# Allegro board TubiiPCB_V6.brd (continued)
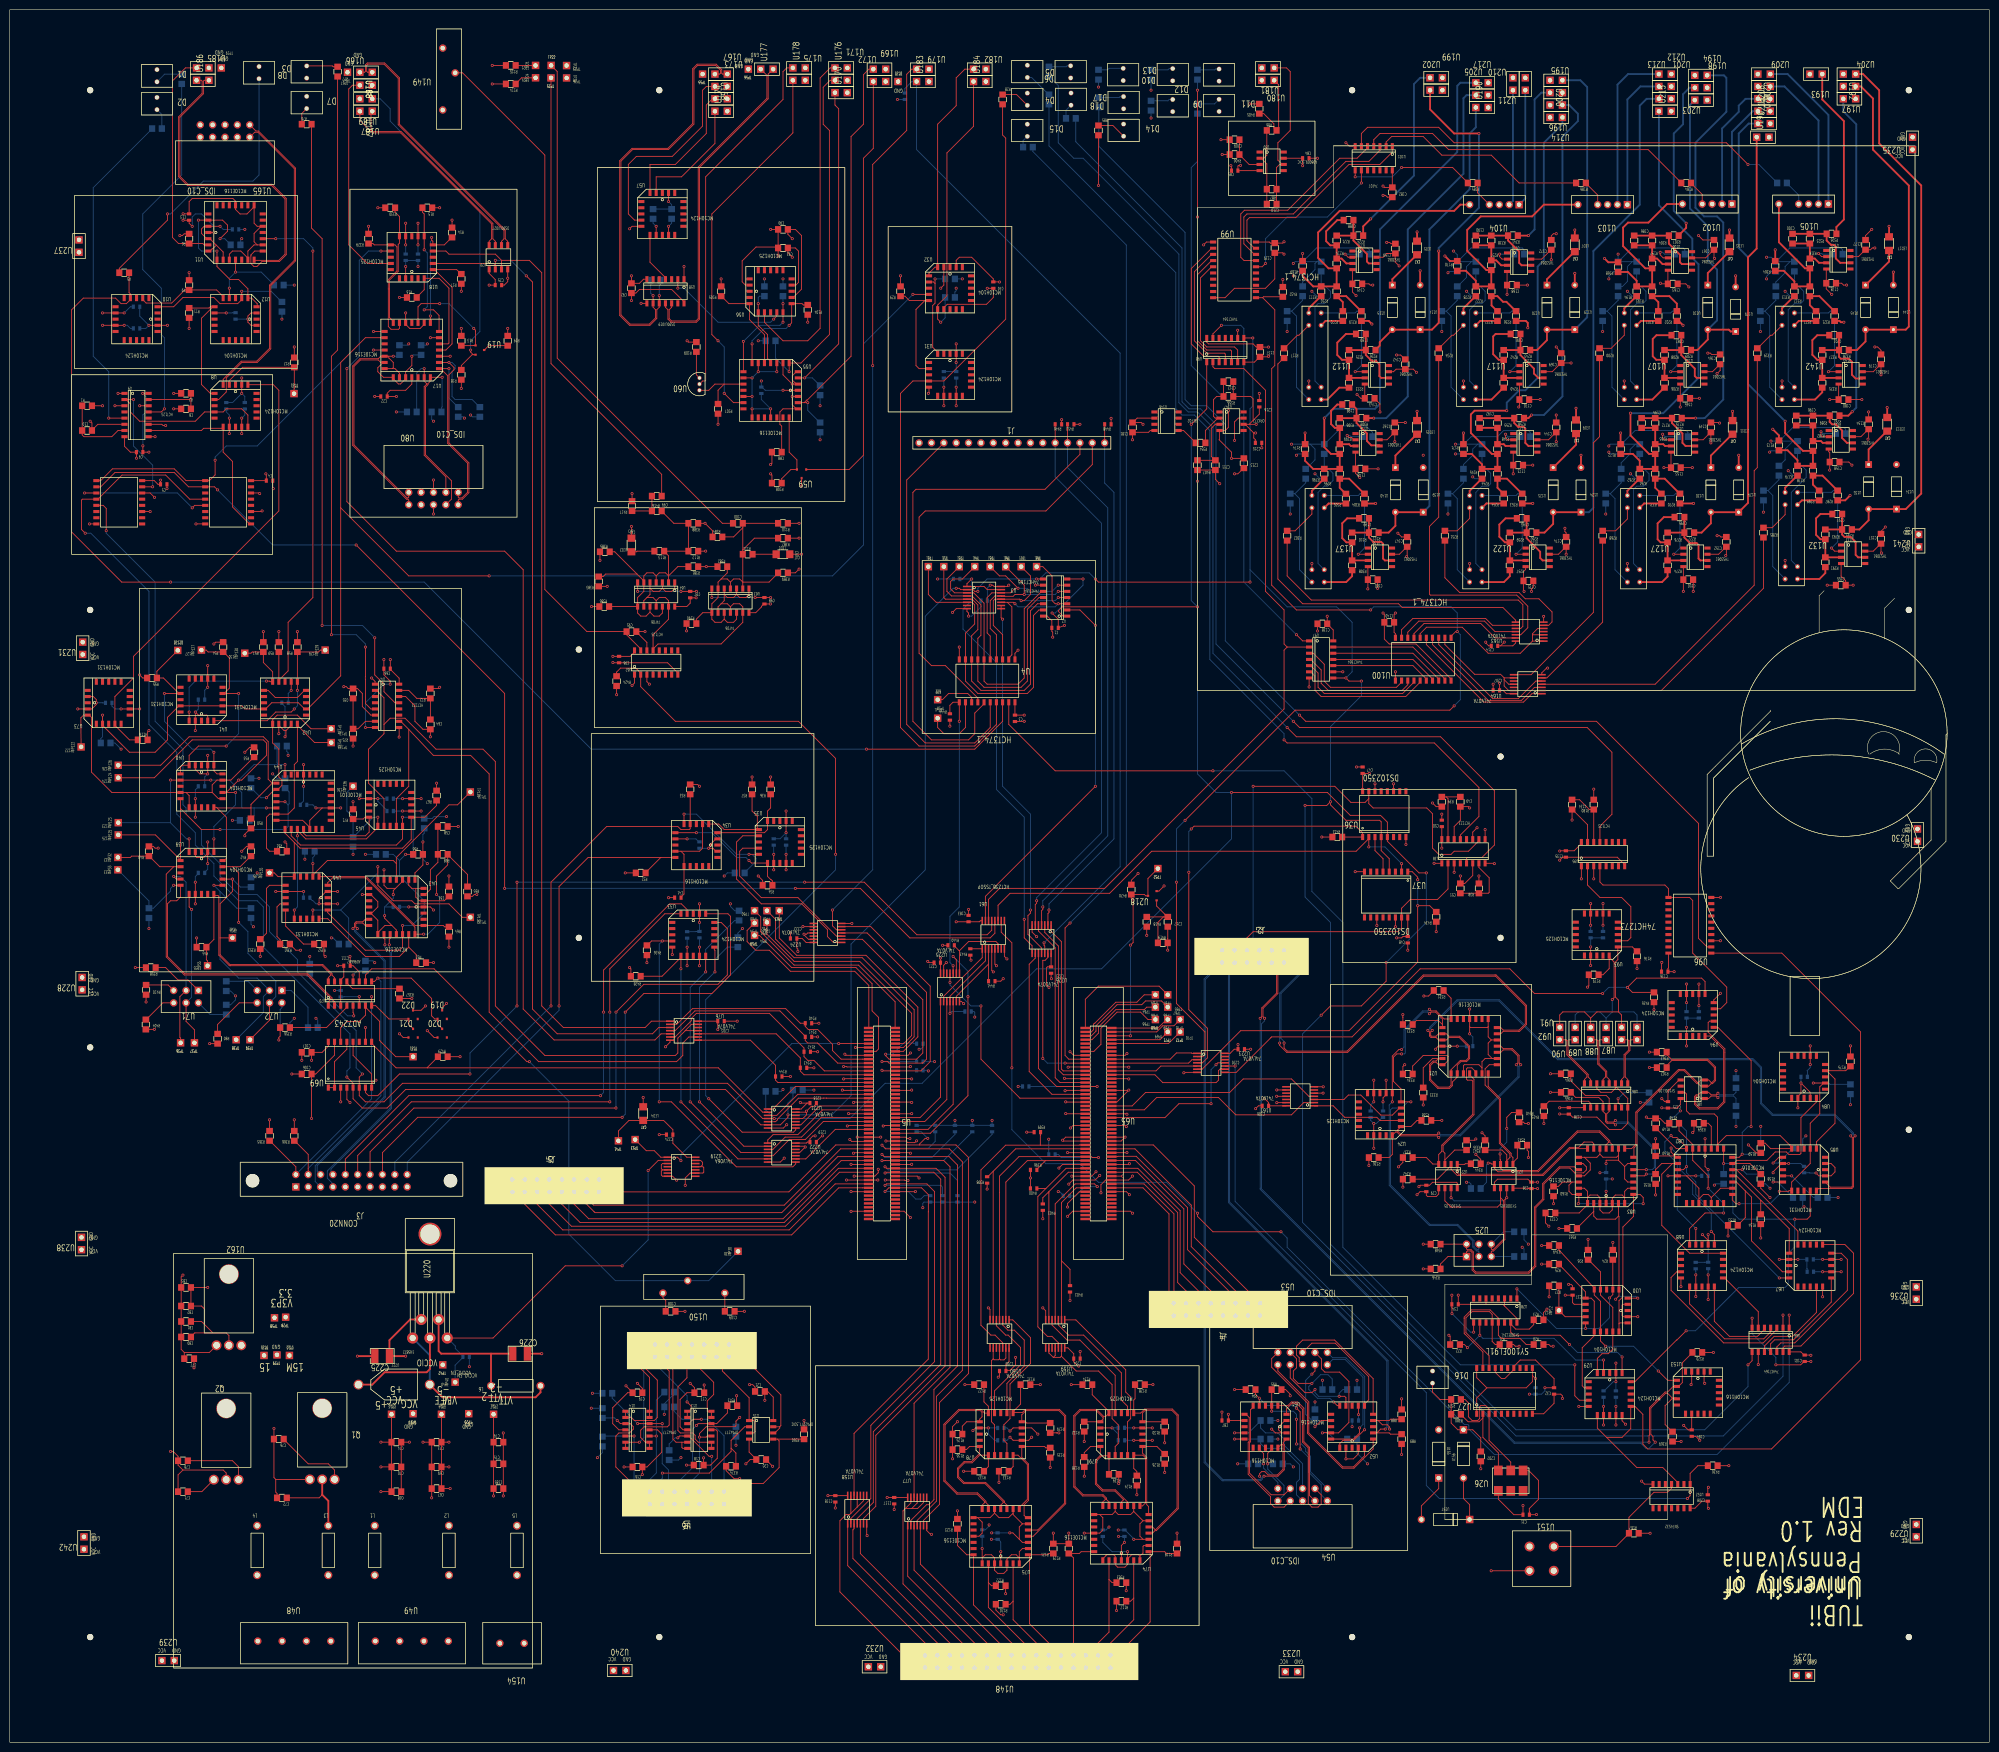
[diagram p0: board, top side]
## Routing (per net, layer and track width the routed paths; a pad name or vN(x,y) marks a point on that pad's centre or on a via; arc(x,y) is an arc through that point) (continued)
  GND_TOP w0.178: D5.1 209.41,343.71 ; D5.1 208.42,343.71 ; D5.1 209.41,344.7 ; D5.1 208.42,344.7 ; v1(314.91,231.09) 315.3,231.48 ; v1(314.91,231.09) 314.52,230.7 ; v1(314.91,231.09) 315.3,230.7 ; v1(314.91,231.09) 314.52,231.48 ; 33.26,274.08 v1(33.66,273.69) ; v1(33.66,273.69) 34.05,273.29 ; v1(33.66,273.69) 34.05,274.08 ; v1(33.66,273.69) 33.26,273.29 ; D9.2 239.26,335.18 ; D9.2 239.26,334.19 ; D9.2 238.26,334.19 ; D9.2 238.26,335.18 ; v1(361.95,269.49) 362.34,269.1 ; v1(361.95,269.49) 361.56,269.1 ; v1(361.95,269.49) 361.56,269.89 ; v1(361.95,269.49) 362.34,269.89 ; v1(78.74,173.99) 79.13,173.6 ; v1(78.74,173.99) 78.35,173.6 ; v1(78.74,173.99) 78.35,174.38 ; v1(78.74,173.99) 79.13,174.38 ; v1(314.2,275.59) 314.59,275.2 ; v1(314.2,275.59) 314.59,275.98 ; v1(314.2,275.59) 313.8,275.2 ; v1(314.2,275.59) 313.8,275.98 ; 146.65,335.45 U174.2 ; U174.2 146.65,334.1 ; U174.2 147.99,335.45 ; U174.2 147.99,334.1 ; 170.8,135.75 v1(171.2,136.14) ; v1(171.2,136.14) 171.59,136.54 ; v1(171.2,136.14) 170.8,136.54 ; v1(171.2,136.14) 171.59,135.75 ; 202.55,75.32 v1(202.95,74.93) ; v1(202.95,74.93) 203.34,75.32 ; v1(202.95,74.93) 203.34,74.54 ; v1(202.95,74.93) 202.55,74.54 ; 386.68,262.93 U134.2 ; U134.2 386.68,261.58 ; U134.2 388.02,262.93 ; U134.2 388.02,261.58 ; J3.11 72.11,113.31 ; J3.11 72.11,114.66 ; J3.11 70.76,113.31 ; J3.11 70.76,114.66 ; 261.86,289.17 v1(262.25,289.56) ; v1(262.25,289.56) 262.65,289.95 ; v1(262.25,289.56) 261.86,289.95 ; v1(262.25,289.56) 262.65,289.17 ; v1(157.75,305.07) 158.14,304.68 ; v1(157.75,305.07) 157.36,305.46 ; v1(157.75,305.07) 158.14,305.46 ; v1(157.75,305.07) 157.36,304.68 ; U231.2 15.66,226.48 ; U231.2 14.31,226.48 ; U231.2 14.31,225.13 ; U231.2 15.66,225.13 ; v1(281.94,231.77) 282.33,231.38 ; v1(281.94,231.77) 282.33,232.17 ; v1(281.94,231.77) 281.55,232.17 ; v1(281.94,231.77) 281.55,231.38 ; U210.2 311.82,342.3 ; U210.2 311.82,340.96 ; U210.2 310.48,342.3 ; U210.2 310.48,340.96 ; v1(362.58,77.47) 362.98,77.86 ; v1(362.58,77.47) 362.19,77.08 ; v1(362.58,77.47) 362.19,77.86 ; v1(362.58,77.47) 362.98,77.08 ; 248.27,329.32 v1(248.67,328.93) ; v1(248.67,328.93) 249.06,328.54 ; v1(248.67,328.93) 248.27,328.54 ; v1(248.67,328.93) 249.06,329.32 ; 187.22,14.63 U148.32 ; U148.32 188.57,14.63 ; U148.32 187.22,15.98 ; U148.32 188.57,15.98 ; v1(79.95,206.31) 80.34,206.71 ; v1(79.95,206.31) 80.34,205.92 ; v1(79.95,206.31) 79.55,206.71 ; v1(79.95,206.31) 79.55,205.92 ; v1(345.19,73.41) 345.58,73.01 ; v1(345.19,73.41) 344.79,73.01 ; v1(345.19,73.41) 345.58,73.8 ; v1(345.19,73.41) 344.79,73.8 ; v1(159.38,186.69) 159.78,187.08 ; v1(159.38,186.69) 158.99,187.08 ; v1(159.38,186.69) 159.78,186.3 ; v1(159.38,186.69) 158.99,186.3 ; v1(176.02,42.42) 176.42,42.81 ; v1(176.02,42.42) 175.63,42.02 ; v1(176.02,42.42) 175.63,42.81 ; v1(176.02,42.42) 176.42,42.02 ; v1(245.11,307.34) 245.5,307.73 ; v1(245.11,307.34) 244.72,307.73 ; v1(245.11,307.34) 244.72,306.95 ; v1(245.11,307.34) 245.5,306.95 ; 115.21,114.83 J5.12 ; J5.12 116.56,114.83 ; J5.12 115.21,116.18 ; J5.12 116.56,116.18 ; 288.91,113.65 v1(289.31,114.05) ; v1(289.31,114.05) 289.7,113.65 ; v1(289.31,114.05) 288.91,114.44 ; v1(289.31,114.05) 289.7,114.44 ; 283.71,197.12 v1(284.1,196.72) ; v1(284.1,196.72) 284.49,197.12 ; v1(284.1,196.72) 284.49,196.33 ; v1(284.1,196.72) 283.71,196.33 ; 331.33,65.67 v1(331.72,65.28) ; v1(331.72,65.28) 331.33,64.88 ; v1(331.72,65.28) 332.12,65.67 ; v1(331.72,65.28) 332.12,64.88 ; 225.92,64.91 v1(226.31,64.52) ; v1(226.31,64.52) 225.92,64.12 ; v1(226.31,64.52) 226.71,64.12 ; v1(226.31,64.52) 226.71,64.91 ; 276.11,200.57 v1(276.5,200.18) ; v1(276.5,200.18) 276.9,200.57 ; v1(276.5,200.18) 276.9,199.78 ; v1(276.5,200.18) 276.11,199.78 ; 52.95,128.16 v1(53.34,127.76) ; v1(53.34,127.76) 53.73,127.37 ; v1(53.34,127.76) 52.95,127.37 ; v1(53.34,127.76) 53.73,128.16 ; 360.51,328.76 U191.2 ; U191.2 360.51,330.11 ; U191.2 361.86,330.11 ; U191.2 361.86,328.76 ; v1(76.81,222.22) 77.2,222.62 ; v1(76.81,222.22) 76.42,222.62 ; v1(76.81,222.22) 77.2,221.83 ; v1(76.81,222.22) 76.42,221.83 ; v1(138.95,56.89) 139.34,56.49 ; v1(138.95,56.89) 139.34,57.28 ; v1(138.95,56.89) 138.55,56.49 ; v1(138.95,56.89) 138.55,57.28 ; 238.28,88.24 J4.16 ; J4.16 239.62,86.89 ; J4.16 239.62,88.24 ; J4.16 238.28,86.89 ; v1(162.56,243.84) 162.95,244.23 ; v1(162.56,243.84) 162.17,243.45 ; v1(162.56,243.84) 162.95,243.45 ; v1(162.56,243.84) 162.17,244.23 ; U180.2 257.72,340.45 ; U180.2 256.37,341.8 ; U180.2 257.72,341.8 ; U180.2 256.37,340.45 ; 50.69,344.44 D3.1 ; D3.1 51.68,344.44 ; D3.1 51.68,343.45 ; D3.1 50.69,343.45 ; v1(322.66,177.21) 323.05,177.61 ; v1(322.66,177.21) 323.05,176.82 ; v1(322.66,177.21) 322.26,177.61 ; v1(322.66,177.21) 322.26,176.82 ; v1(63.5,172.09) 63.89,171.69 ; v1(63.5,172.09) 63.11,171.69 ; v1(63.5,172.09) 63.11,172.48 ; v1(63.5,172.09) 63.89,172.48 ; v1(26.67,274.32) 27.06,274.71 ; v1(26.67,274.32) 26.28,273.93 ; v1(26.67,274.32) 26.28,274.71 ; v1(26.67,274.32) 27.06,273.93 ; J4.6 252.32,86.89 ; J4.6 250.98,86.89 ; J4.6 250.98,88.24 ; J4.6 252.32,88.24 ; v1(134.38,67.31) 134.77,66.92 ; v1(134.38,67.31) 133.99,67.7 ; v1(134.38,67.31) 133.99,66.92 ; v1(134.38,67.31) 134.77,67.7 ; 379.84,275.2 v1(380.24,275.59) ; v1(380.24,275.59) 379.84,275.98 ; v1(380.24,275.59) 380.63,275.2 ; v1(380.24,275.59) 380.63,275.98 ; v1(29.85,267.97) 30.24,268.36 ; v1(29.85,267.97) 29.45,267.58 ; v1(29.85,267.97) 30.24,267.58 ; v1(29.85,267.97) 29.45,268.36 ; 17.39,213.75 v1(17.78,213.36) ; v1(17.78,213.36) 17.39,212.97 ; v1(17.78,213.36) 18.17,213.75 ; v1(17.78,213.36) 18.17,212.97 ; 297.42,177.41 v1(297.81,177.8) ; v1(297.81,177.8) 298.21,178.19 ; v1(297.81,177.8) 297.42,178.19 ; v1(297.81,177.8) 298.21,177.41 ; v1(123.83,221.62) 124.22,222.01 ; v1(123.83,221.62) 123.43,221.22 ; v1(123.83,221.62) 123.43,222.01 ; v1(123.83,221.62) 124.22,221.22 ; 230.11,108.98 v1(230.5,108.59) ; v1(230.5,108.59) 230.11,108.19 ; v1(230.5,108.59) 230.9,108.98 ; v1(230.5,108.59) 230.9,108.19 ; 71.36,194.07 v1(71.76,193.68) ; v1(71.76,193.68) 72.15,194.07 ; v1(71.76,193.68) 71.36,193.28 ; v1(71.76,193.68) 72.15,193.28 ; 302.5,187.72 v1(302.89,187.33) ; v1(302.89,187.33) 302.5,186.93 ; v1(302.89,187.33) 303.29,186.93 ; v1(302.89,187.33) 303.29,187.72 ; 220.21,43.32 v1(220.6,42.93) ; v1(220.6,42.93) 220.21,42.53 ; v1(220.6,42.93) 220.99,42.53 ; v1(220.6,42.93) 220.99,43.32 ; v1(82.04,61.59) 82.44,61.2 ; v1(82.04,61.59) 81.65,61.99 ; v1(82.04,61.59) 81.65,61.2 ; v1(82.04,61.59) 82.44,61.99 ; v1(254.52,336.28) 254.92,336.67 ; v1(254.52,336.28) 254.13,335.89 ; v1(254.52,336.28) 254.92,335.89 ; v1(254.52,336.28) 254.13,336.67 ; v1(33.02,59.69) 33.41,59.3 ; v1(33.02,59.69) 33.41,60.08 ; v1(33.02,59.69) 32.63,60.08 ; v1(33.02,59.69) 32.63,59.3 ; v1(185.17,118.62) 185.56,118.22 ; v1(185.17,118.62) 185.56,119.01 ; v1(185.17,118.62) 184.77,119.01 ; v1(185.17,118.62) 184.77,118.22 ; 127.24,249.16 v1(127.63,249.56) ; v1(127.63,249.56) 128.03,249.16 ; v1(127.63,249.56) 127.24,249.95 ; v1(127.63,249.56) 128.03,249.95 ; 14.57,41.49 U242.2 ; U242.2 15.91,42.84 ; U242.2 14.57,42.84 ; U242.2 15.91,41.49 ; v1(243.84,258.83) 244.23,258.43 ; v1(243.84,258.83) 243.45,258.43 ; v1(243.84,258.83) 244.23,259.22 ; v1(243.84,258.83) 243.45,259.22 ; 64.38,160.9 v1(64.77,161.29) ; v1(64.77,161.29) 65.16,161.68 ; v1(64.77,161.29) 64.38,161.68 ; v1(64.77,161.29) 65.16,160.9 ; v1(229.36,128.91) 229.76,129.3 ; v1(229.36,128.91) 229.76,128.51 ; v1(229.36,128.91) 228.97,129.3 ; v1(229.36,128.91) 228.97,128.51 ; v1(229.74,136.14) 230.14,136.54 ; v1(229.74,136.14) 229.35,136.54 ; v1(229.74,136.14) 229.35,135.75 ; v1(229.74,136.14) 230.14,135.75 ; 193.15,232.3 v1(193.55,231.9) ; v1(193.55,231.9) 193.94,231.51 ; v1(193.55,231.9) 193.15,231.51 ; v1(193.55,231.9) 193.94,232.3 ; 163.18,129.15 v1(163.58,129.54) ; v1(163.58,129.54) 163.97,129.15 ; v1(163.58,129.54) 163.18,129.93 ; v1(163.58,129.54) 163.97,129.93 ; v1(149.22,71.12) 149.62,70.73 ; v1(149.22,71.12) 149.62,71.51 ; v1(149.22,71.12) 148.83,71.51 ; v1(149.22,71.12) 148.83,70.73 ; U196.2 316.9,336.72 ; U196.2 316.9,335.37 ; U196.2 315.56,335.37 ; U196.2 315.56,336.72 ; U201.2 341.8,337.99 ; U201.2 341.8,336.64 ; U201.2 340.45,337.99 ; U201.2 340.45,336.64 ; 54.19,80.18 TP29.1 ; TP29.1 55.54,78.83 ; TP29.1 54.19,78.83 ; TP29.1 55.54,80.18 ; U172.2 180.51,344.08 ; U172.2 179.16,342.73 ; U172.2 179.16,344.08 ; U172.2 180.51,342.73 ; 259.71,132.98 v1(260.1,132.58) ; v1(260.1,132.58) 260.49,132.98 ; v1(260.1,132.58) 259.71,132.19 ; v1(260.1,132.58) 260.49,132.19 ; v1(295.27,252.1) 295.67,252.49 ; v1(295.27,252.1) 294.88,251.7 ; v1(295.27,252.1) 295.67,251.7 ; v1(295.27,252.1) 294.88,252.49 ; v1(322.58,264.16) 322.97,264.55 ; v1(322.58,264.16) 322.19,263.77 ; v1(322.58,264.16) 322.19,264.55 ; v1(322.58,264.16) 322.97,263.77 ; v1(284.99,248.16) 285.38,247.76 ; v1(284.99,248.16) 284.59,248.55 ; v1(284.99,248.16) 284.59,247.76 ; v1(284.99,248.16) 285.38,248.55 ; U167.2 147.99,339.18 ; U167.2 147.99,340.53 ; U167.2 146.65,339.18 ; U167.2 146.65,340.53 ; 289.17,302.41 v1(289.56,302.02) ; v1(289.56,302.02) 289.17,301.63 ; v1(289.56,302.02) 289.95,302.41 ; v1(289.56,302.02) 289.95,301.63 ; 105.05,116.18 J5.4 ; J5.4 106.4,114.83 ; J5.4 105.05,114.83 ; J5.4 106.4,116.18 ; 89.27,189.6 v1(89.66,189.99) ; v1(89.66,189.99) 89.27,190.39 ; v1(89.66,189.99) 90.06,189.6 ; v1(89.66,189.99) 90.06,190.39 ; v1(302.01,56.13) 302.4,56.53 ; v1(302.01,56.13) 301.61,55.74 ; v1(302.01,56.13) 302.4,55.74 ; v1(302.01,56.13) 301.61,56.53 ; 289.56,299.08 290.23,298.41 ; 289.56,299.08 290.23,299.76 ; 289.56,299.08 288.89,299.76 ; 289.56,299.08 288.89,298.41 ; 84.37,20.09 U49.3 ; U49.3 85.71,21.44 ; U49.3 85.71,20.09 ; U49.3 84.37,21.44 ; v1(330.71,268.73) 331.1,269.13 ; v1(330.71,268.73) 330.31,268.34 ; v1(330.71,268.73) 330.31,269.13 ; v1(330.71,268.73) 331.1,268.34 ; v1(82.55,152.65) 82.94,152.26 ; v1(82.55,152.65) 82.94,153.05 ; v1(82.55,152.65) 82.16,152.26 ; v1(82.55,152.65) 82.16,153.05 ; 354.57,263.77 v1(354.96,264.16) ; v1(354.96,264.16) 355.36,263.77 ; v1(354.96,264.16) 354.57,264.55 ; v1(354.96,264.16) 355.36,264.55 ; v1(317.5,309.63) 317.89,310.02 ; v1(317.5,309.63) 317.11,309.23 ; v1(317.5,309.63) 317.89,309.23 ; v1(317.5,309.63) 317.11,310.02 ; 41.69,82.23 U162.1 ; U162.1 41.69,80.71 ; U162.1 43.22,82.23 ; U162.1 43.22,80.71 ; 119.24,71.23 v1(119.63,71.63) ; v1(119.63,71.63) 120.03,71.23 ; v1(119.63,71.63) 120.03,72.02 ; v1(119.63,71.63) 119.24,72.02 ; v1(203.2,299.72) 203.59,300.11 ; v1(203.2,299.72) 202.81,300.11 ; v1(203.2,299.72) 203.59,299.33 ; v1(203.2,299.72) 202.81,299.33 ; v1(381.63,273.05) 382.03,273.44 ; v1(381.63,273.05) 381.24,272.66 ; v1(381.63,273.05) 382.03,272.66 ; v1(381.63,273.05) 381.24,273.44 ; v1(275.59,64.77) 275.98,65.16 ; v1(275.59,64.77) 275.98,64.38 ; v1(275.59,64.77) 275.2,64.38 ; v1(275.59,64.77) 275.2,65.16 ; 346.57,61.58 v1(346.96,61.98) ; v1(346.96,61.98) 347.36,62.37 ; v1(346.96,61.98) 347.36,61.58 ; v1(346.96,61.98) 346.57,62.37 ; 263.74,15.15 U233.2 ; U233.2 265.09,13.8 ; U233.2 263.74,13.8 ; U233.2 265.09,15.15 ; v1(303.02,225.81) 303.42,226.2 ; v1(303.02,225.81) 302.63,226.2 ; v1(303.02,225.81) 303.42,225.41 ; v1(303.02,225.81) 302.63,225.41 ; 72,174.38 v1(72.39,173.99) ; v1(72.39,173.99) 72.78,173.6 ; v1(72.39,173.99) 72.78,174.38 ; v1(72.39,173.99) 72,173.6 ; v1(250.7,323.6) 251.09,323.99 ; v1(250.7,323.6) 251.09,323.2 ; v1(250.7,323.6) 250.3,323.99 ; v1(250.7,323.6) 250.3,323.2 ; v1(162.84,167.41) 163.23,167.81 ; v1(162.84,167.41) 162.45,167.81 ; v1(162.84,167.41) 163.23,167.02 ; v1(162.84,167.41) 162.45,167.02 ; v1(59.96,139.97) 60.35,139.58 ; v1(59.96,139.97) 59.57,140.36 ; v1(59.96,139.97) 59.57,139.58 ; v1(59.96,139.97) 60.35,140.36 ; 366.71,130.62 v1(367.11,130.22) ; v1(367.11,130.22) 366.71,129.83 ; v1(367.11,130.22) 367.5,129.83 ; v1(367.11,130.22) 367.5,130.62 ; v1(375.36,111.81) 375.75,111.41 ; v1(375.36,111.81) 374.97,111.41 ; v1(375.36,111.81) 374.97,112.2 ; v1(375.36,111.81) 375.75,112.2 ; 259.74,130.89 v1(260.13,131.28) ; v1(260.13,131.28) 260.53,130.89 ; v1(260.13,131.28) 260.53,131.68 ; v1(260.13,131.28) 259.74,131.68 ; v1(171.2,138.68) 171.59,138.29 ; v1(171.2,138.68) 171.59,139.08 ; v1(171.2,138.68) 170.8,138.29 ; v1(171.2,138.68) 170.8,139.08 ; 347.81,337.73 U198.2 ; U198.2 347.81,336.38 ; U198.2 349.16,337.73 ; U198.2 349.16,336.38 ; v1(368.76,124.46) 369.15,124.85 ; v1(368.76,124.46) 368.36,124.85 ; v1(368.76,124.46) 369.15,124.07 ; v1(368.76,124.46) 368.36,124.07 ; 127.24,301.38 v1(127.63,300.99) ; v1(127.63,300.99) 127.24,300.6 ; v1(127.63,300.99) 128.03,301.38 ; v1(127.63,300.99) 128.03,300.6 ; 188.07,159.88 v1(188.47,160.27) ; v1(188.47,160.27) 188.86,159.88 ; v1(188.47,160.27) 188.07,160.67 ; v1(188.47,160.27) 188.86,160.67 ; 77.71,216.78 v1(78.11,217.17) ; v1(78.11,217.17) 78.5,217.56 ; v1(78.11,217.17) 78.5,216.78 ; v1(78.11,217.17) 77.71,217.56 ; v1(268.48,228.09) 268.88,227.69 ; v1(268.48,228.09) 268.09,227.69 ; v1(268.48,228.09) 268.88,228.48 ; v1(268.48,228.09) 268.09,228.48 ; 359.65,252.87 v1(360.04,252.48) ; v1(360.04,252.48) 359.65,252.08 ; v1(360.04,252.48) 360.44,252.87 ; v1(360.04,252.48) 360.44,252.08 ; 56.12,206.77 v1(56.52,206.38) ; v1(56.52,206.38) 56.12,205.98 ; v1(56.52,206.38) 56.91,206.77 ; v1(56.52,206.38) 56.91,205.98 ; v1(156.21,234.95) 156.6,234.56 ; v1(156.21,234.95) 156.6,235.34 ; v1(156.21,234.95) 155.82,235.34 ; v1(156.21,234.95) 155.82,234.56 ; v1(149.35,148.01) 149.75,148.4 ; v1(149.35,148.01) 148.96,148.4 ; v1(149.35,148.01) 149.75,147.61 ; v1(149.35,148.01) 148.96,147.61 ; v1(136.91,115.37) 137.3,114.97 ; v1(136.91,115.37) 137.3,115.76 ; v1(136.91,115.37) 136.51,115.76 ; v1(136.91,115.37) 136.51,114.97 ; 340.45,335.45 U215.2 ; U215.2 341.8,335.45 ; U215.2 341.8,334.1 ; U215.2 340.45,334.1 ; v1(284.48,219.71) 284.87,219.32 ; v1(284.48,219.71) 284.09,219.32 ; v1(284.48,219.71) 284.87,220.1 ; v1(284.48,219.71) 284.09,220.1 ; v1(92.71,277.88) 93.1,278.27 ; v1(92.71,277.88) 92.32,278.27 ; v1(92.71,277.88) 93.1,277.48 ; v1(92.71,277.88) 92.32,277.48 ; 129.21,295.73 v1(129.6,295.34) ; v1(129.6,295.34) 130,295.73 ; v1(129.6,295.34) 129.21,294.94 ; v1(129.6,295.34) 130,294.94 ; 91.68,187.57 v1(92.08,187.96) ; v1(92.08,187.96) 92.47,188.35 ; v1(92.08,187.96) 91.68,188.35 ; v1(92.08,187.96) 92.47,187.57 ; v1(81.28,293.37) 81.67,293.76 ; v1(81.28,293.37) 81.67,292.98 ; v1(81.28,293.37) 80.89,292.98 ; v1(81.28,293.37) 80.89,293.76 ; v1(300.35,259.72) 300.75,260.11 ; v1(300.35,259.72) 299.96,259.32 ; v1(300.35,259.72) 300.75,259.32 ; v1(300.35,259.72) 299.96,260.11 ; v1(217.17,109.86) 217.56,109.46 ; v1(217.17,109.86) 216.78,109.46 ; v1(217.17,109.86) 216.78,110.25 ; v1(217.17,109.86) 217.56,110.25 ; 200.52,88.76 v1(200.91,89.15) ; v1(200.91,89.15) 201.31,89.55 ; v1(200.91,89.15) 201.31,88.76 ; v1(200.91,89.15) 200.52,89.55 ; U207.2 359.58,340.53 ; U207.2 359.58,339.18 ; U207.2 358.23,339.18 ; U207.2 358.23,340.53 ; 21.83,276.47 v1(22.22,276.86) ; v1(22.22,276.86) 22.62,276.47 ; v1(22.22,276.86) 21.83,277.25 ; v1(22.22,276.86) 22.62,277.25 ; 319.65,93.59 v1(320.04,93.98) ; v1(320.04,93.98) 320.43,93.59 ; v1(320.04,93.98) 319.65,94.37 ; v1(320.04,93.98) 320.43,94.37 ; 58.06,113.31 J3.1 ; J3.1 59.41,114.66 ; J3.1 59.41,113.31 ; J3.1 58.06,114.66 ; 358.23,343.07 U206.2 ; U206.2 359.58,343.07 ; U206.2 359.58,341.72 ; U206.2 358.23,341.72 ; 247.79,335.21 D11.2 ; D11.2 248.78,334.22 ; D11.2 248.78,335.21 ; D11.2 247.79,334.22 ; 296.99,91.37 v1(297.39,91.77) ; v1(297.39,91.77) 296.99,92.16 ; v1(297.39,91.77) 297.78,92.16 ; v1(297.39,91.77) 297.78,91.37 ; 345.05,262.01 v1(345.44,261.62) ; v1(345.44,261.62) 345.83,262.01 ; v1(345.44,261.62) 345.83,261.23 ; v1(345.44,261.62) 345.05,261.23 ; 348.35,51.93 v1(348.74,52.32) ; v1(348.74,52.32) 348.35,52.72 ; v1(348.74,52.32) 349.14,52.72 ; v1(348.74,52.32) 349.14,51.93 ; v1(299.72,145.41) 300.11,145.02 ; v1(299.72,145.41) 299.33,145.81 ; v1(299.72,145.41) 300.11,145.81 ; v1(299.72,145.41) 299.33,145.02 ; v1(298.45,268.73) 298.84,268.34 ; v1(298.45,268.73) 298.06,268.34 ; v1(298.45,268.73) 298.06,269.13 ; v1(298.45,268.73) 298.84,269.13 ; 201.21,43.37 v1(201.6,42.98) ; v1(201.6,42.98) 201.99,42.58 ; v1(201.6,42.98) 201.99,43.37 ; v1(201.6,42.98) 201.21,42.58 ; J5.2 103.86,116.18 ; J5.2 103.86,114.83 ; J5.2 102.51,114.83 ; J5.2 102.51,116.18 ; v1(229.87,118.75) 230.26,118.35 ; v1(229.87,118.75) 229.48,119.14 ; v1(229.87,118.75) 229.48,118.35 ; v1(229.87,118.75) 230.26,119.14 ; 33.11,16.09 U239.2 ; U239.2 34.46,16.09 ; U239.2 34.46,17.44 ; U239.2 33.11,17.44 ; 136.83,82.32 U16.6 ; U16.6 136.83,80.98 ; U16.6 138.18,80.98 ; U16.6 138.18,82.32 ; v1(339.17,130.22) 339.56,129.83 ; v1(339.17,130.22) 339.56,130.62 ; v1(339.17,130.22) 338.77,129.83 ; v1(339.17,130.22) 338.77,130.62 ; v1(67.31,174.62) 67.7,175.02 ; v1(67.31,174.62) 67.7,174.23 ; v1(67.31,174.62) 66.92,174.23 ; v1(67.31,174.62) 66.92,175.02 ; v1(76.84,179.07) 77.23,179.46 ; v1(76.84,179.07) 77.23,178.68 ; v1(76.84,179.07) 76.44,178.68 ; v1(76.84,179.07) 76.44,179.46 ; 29.73,342.82 D1.1 ; D1.1 29.73,343.81 ; D1.1 30.72,342.82 ; D1.1 30.72,343.81 ; v1(280.83,236.86) 281.22,236.46 ; v1(280.83,236.86) 281.22,237.25 ; v1(280.83,236.86) 280.44,237.25 ; v1(280.83,236.86) 280.44,236.46 ; v1(332.1,297.81) 332.5,297.42 ; v1(332.1,297.81) 332.5,298.21 ; v1(332.1,297.81) 331.71,298.21 ; v1(332.1,297.81) 331.71,297.42 ; v1(294,289.56) 294.4,289.95 ; v1(294,289.56) 293.61,289.95 ; v1(294,289.56) 294.4,289.17 ; v1(294,289.56) 293.61,289.17 ; 86.6,259.47 v1(87,259.08) ; v1(87,259.08) 87.39,258.69 ; v1(87,259.08) 87.39,259.47 ; v1(87,259.08) 86.6,258.69 ; v1(194.94,224.79) 195.34,224.4 ; v1(194.94,224.79) 195.34,225.18 ; v1(194.94,224.79) 194.55,225.18 ; v1(194.94,224.79) 194.55,224.4 ; v1(109.22,79.76) 109.61,80.15 ; v1(109.22,79.76) 109.61,79.36 ; v1(109.22,79.76) 108.83,79.36 ; v1(109.22,79.76) 108.83,80.15 ; 205,15.98 U148.18 ; U148.18 206.35,14.63 ; U148.18 205,14.63 ; U148.18 206.35,15.98 ; v1(192.28,160.02) 192.67,159.63 ; v1(192.28,160.02) 191.88,159.63 ; v1(192.28,160.02) 191.88,160.41 ; v1(192.28,160.02) 192.67,160.41 ; D17.1 218.38,338.01 ; D17.1 217.39,338.01 ; D17.1 218.38,339 ; D17.1 217.39,339 ; v1(274.32,58.17) 274.71,57.77 ; v1(274.32,58.17) 274.71,58.56 ; v1(274.32,58.17) 273.93,58.56 ; v1(274.32,58.17) 273.93,57.77 ; v1(128.91,236.22) 129.3,235.83 ; v1(128.91,236.22) 128.51,235.83 ; v1(128.91,236.22) 128.51,236.61 ; v1(128.91,236.22) 129.3,236.61 ; 110.13,116.18 J5.8 ; J5.8 111.48,114.83 ; J5.8 111.48,116.18 ; J5.8 110.13,114.83 ; U227.2 72.32,74.12 ; U227.2 72.32,72.69 ; U227.2 70.89,72.69 ; U227.2 70.89,74.12 ; U129.2 355.64,262.29 ; U129.2 354.29,260.95 ; U129.2 355.64,260.95 ; U129.2 354.29,262.29 ; 172.49,168.46 v1(172.89,168.06) ; v1(172.89,168.06) 172.49,167.67 ; v1(172.89,168.06) 173.28,167.67 ; v1(172.89,168.06) 173.28,168.46 ; v1(294.64,305.05) 295.03,305.45 ; v1(294.64,305.05) 294.25,305.45 ; v1(294.64,305.05) 294.25,304.66 ; v1(294.64,305.05) 295.03,304.66 ; v1(32.39,290.83) 32.78,291.22 ; v1(32.39,290.83) 31.99,290.44 ; v1(32.39,290.83) 31.99,291.22 ; v1(32.39,290.83) 32.78,290.44 ; U148.10 216.51,15.98 ; U148.10 216.51,14.63 ; U148.10 215.16,14.63 ; U148.10 215.16,15.98 ; v1(185.17,133.86) 185.56,133.46 ; v1(185.17,133.86) 185.56,134.25 ; v1(185.17,133.86) 184.77,133.46 ; v1(185.17,133.86) 184.77,134.25 ; v1(184.91,107.7) 185.31,107.3 ; v1(184.91,107.7) 184.52,108.09 ; v1(184.91,107.7) 184.52,107.3 ; v1(184.91,107.7) 185.31,108.09 ; U202.2 294.81,340.96 ; U202.2 294.81,342.3 ; U202.2 293.46,340.96 ; U202.2 293.46,342.3 ; v1(184.91,120.9) 185.31,121.3 ; v1(184.91,120.9) 184.52,121.3 ; v1(184.91,120.9) 185.31,120.51 ; v1(184.91,120.9) 184.52,120.51 ; U217.2 304.2,339.94 ; U217.2 302.86,339.94 ; U217.2 302.86,341.29 ; U217.2 304.2,341.29 ; v1(40.64,184.78) 41.03,184.39 ; v1(40.64,184.78) 40.25,185.18 ; v1(40.64,184.78) 40.25,184.39 ; v1(40.64,184.78) 41.03,185.18 ; v1(59.69,162.56) 60.08,162.17 ; v1(59.69,162.56) 59.3,162.17 ; v1(59.69,162.56) 59.3,162.95 ; v1(59.69,162.56) 60.08,162.95 ; 228.84,125.97 v1(229.24,126.37) ; v1(229.24,126.37) 228.84,126.76 ; v1(229.24,126.37) 229.63,125.97 ; v1(229.24,126.37) 229.63,126.76 